# Altium PCB PCB1.PcbDoc
Units mil, origin at the board's own origin, x right, y up, seen from the top; angles counter-clockwise.
Board outline 2760 x 1875 mil, 2 copper layers (Top Layer, Bottom Layer); 86 components, 51 nets, 238 pads, 86 vias.
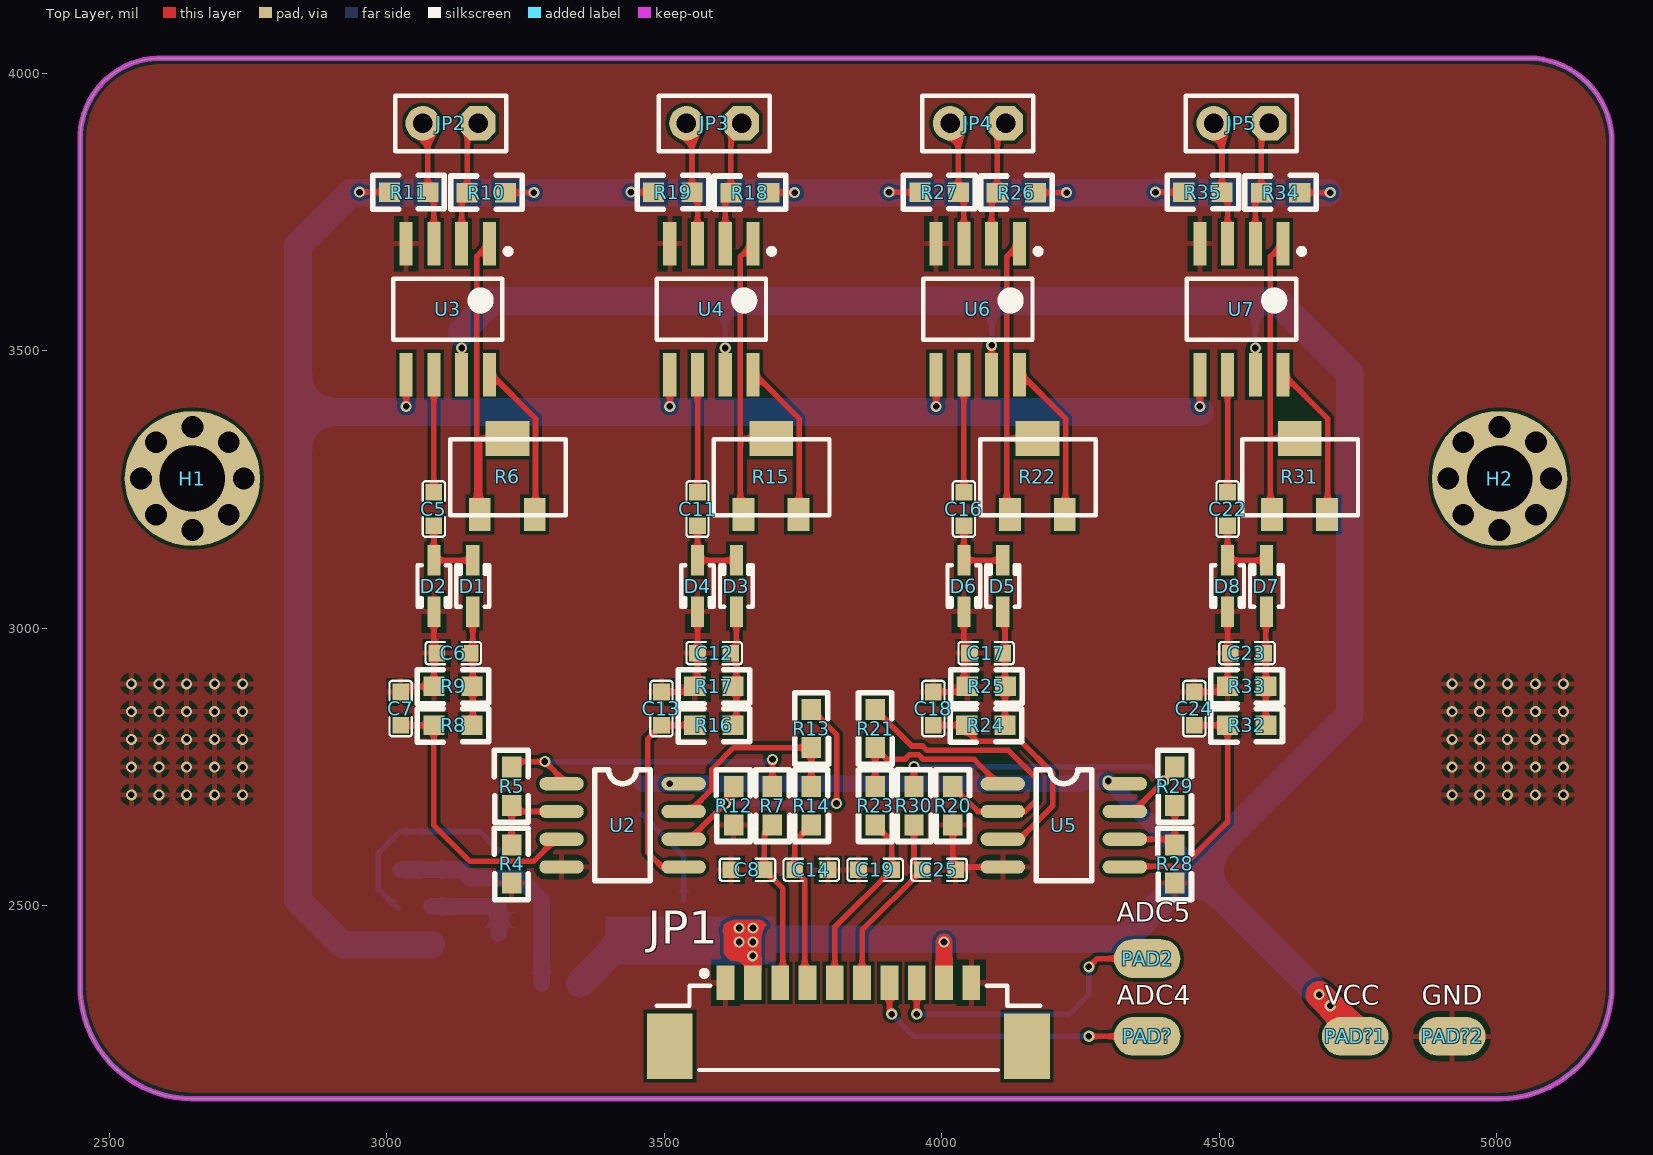
[diagram p0: Top Layer view]
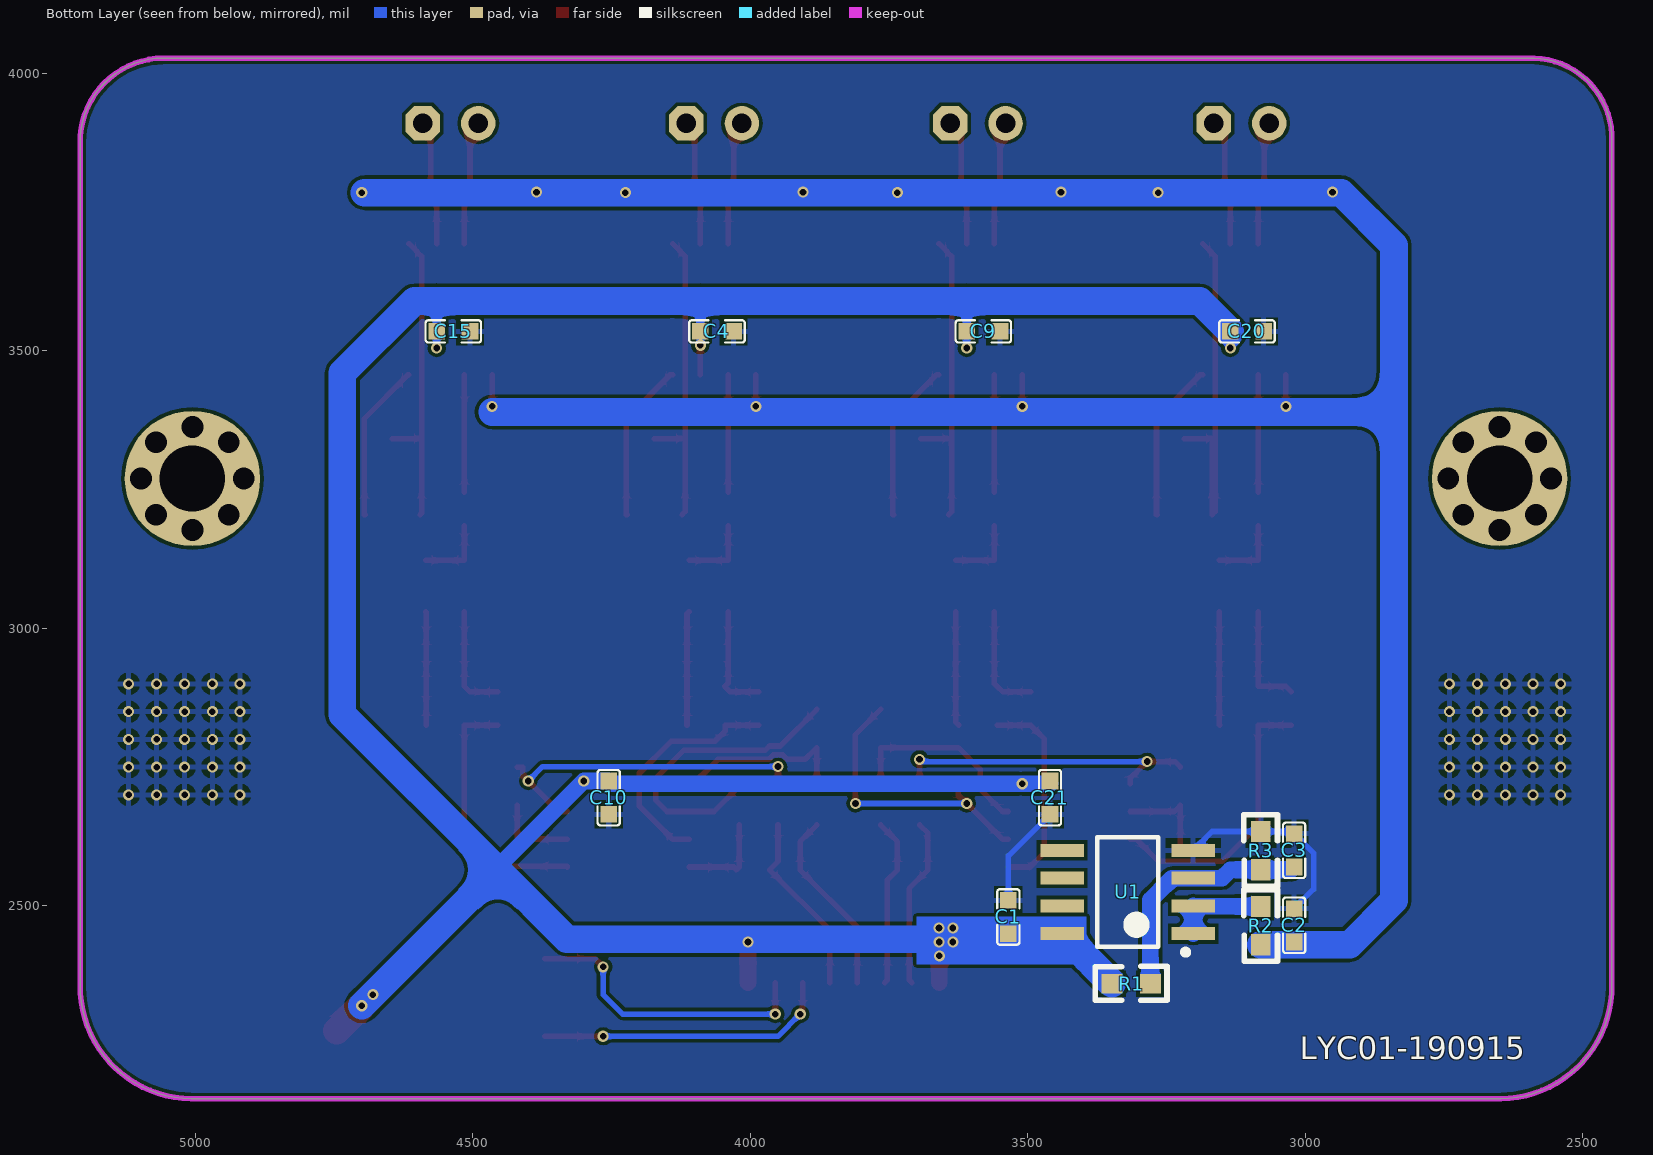
[diagram p1: Bottom Layer view, seen from below]
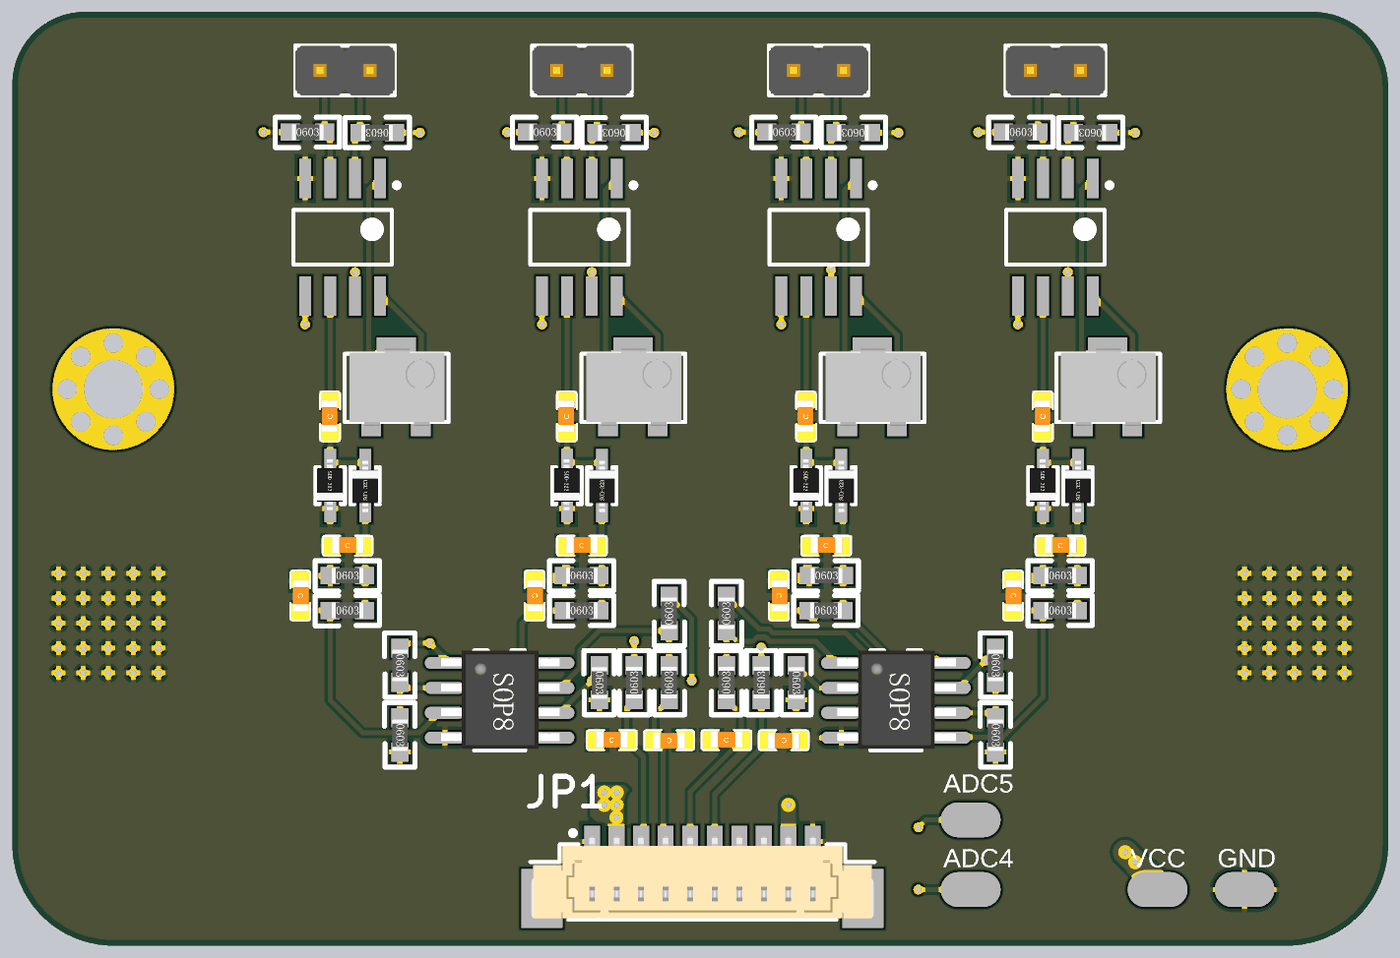
[diagram p2: 3D render of the assembled board from above, using the file's embedded part models]
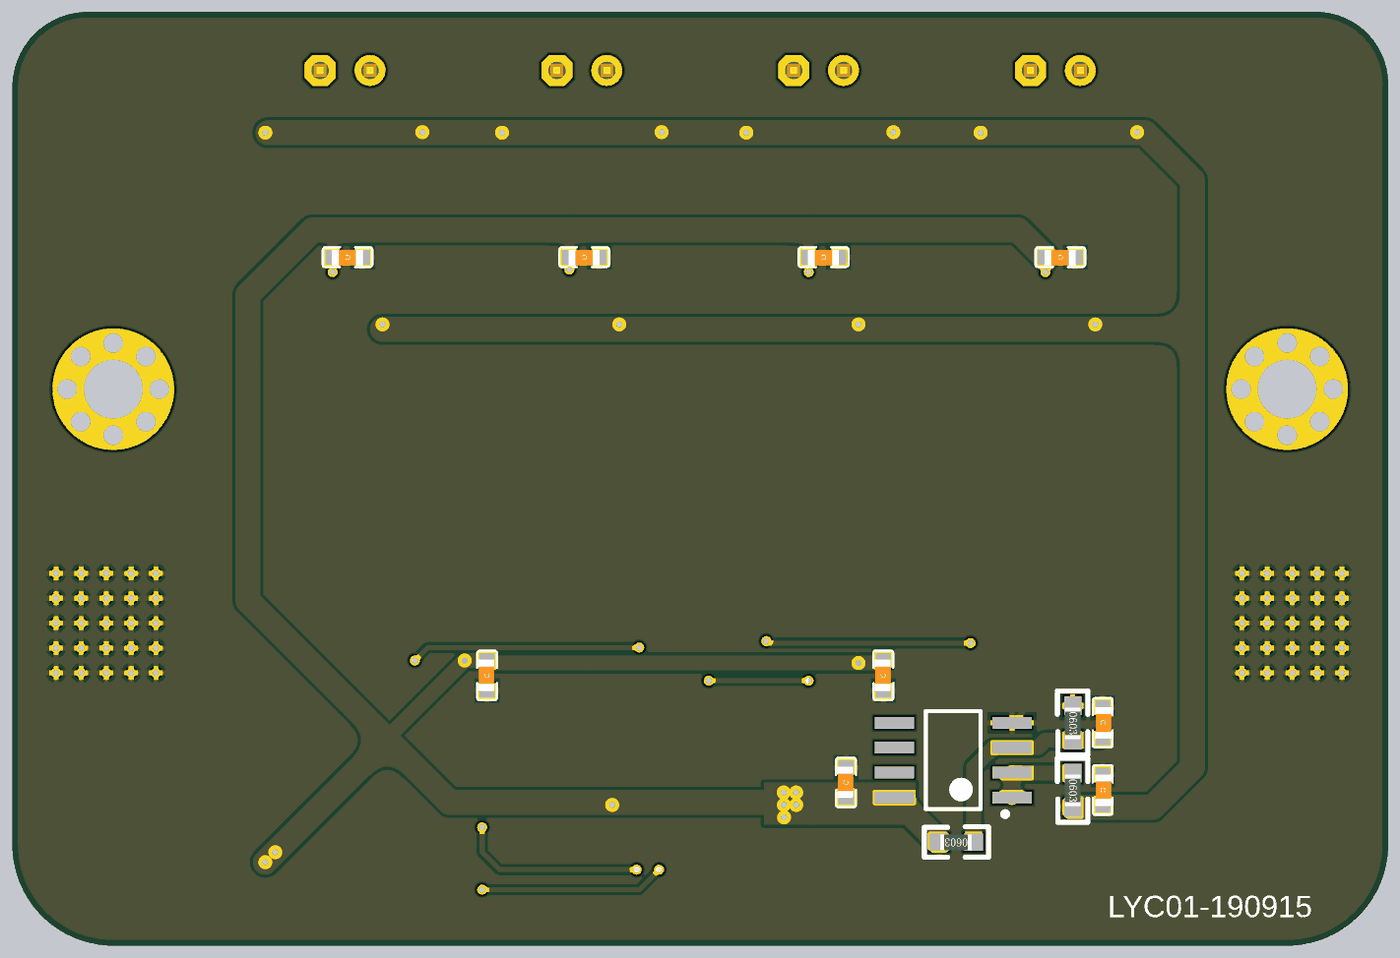
[diagram p3: 3D render of the assembled board from below, using the file's embedded part models]

## Layer stack, top to bottom
Top Solder: solder mask 0.4, Solder Resist, Dk 3.5
Top Layer: signal copper 1.4
Dielectric 1: dielectric 12.6, FR-4, Dk 4.8
Bottom Layer: signal copper 1.4
Bottom Solder: solder mask 0.4, Solder Resist, Dk 3.5

## Board outline
2447.5,2357.5 2447.5,3877.5 cw(c2592.5,3882.5) 2587.5,4027.5 5057.5,4027.5 cw(c5056.22,3876.22) 5207.5,3874.93 5207.5,2357.5 cw(c5005,2355) 5007.5,2152.5 2647.5,2152.5 cw(c2650,2355)

## Design rules (kind name [scope] priority, off if disabled: settings)
Clearance [All] p1: gap=6 ignorepadtopadclearanceinfootprint=TRUE
PolygonConnect [All] p1: connectstyle=Relief reliefconductorwidth=10 reliefentries=4 polygonreliefangle="90 Angle" airgapwidth=10
RoutingVias [All] p1: holewidth=12 width=20 viastyle="Through Hole" minholewidth=12 minwidth=20 maxholewidth=12 maxwidth=20
SolderMaskExpansion [All] p1: expansion=4
Width [All] p1: maxlimit=50 minlimit=10 preferedwidth=10 minimp=50.000000 maximp=50.000000 favimp=50.000000
30 further rules are at their usual default settings.

## Classes and differential pairs
component class Sheet2: C15 C16 C17 C18 C19 C20 C21 C22 C23 C24 C25 D5 D6 D7 D8 JP4 JP5 R20 R21 R22 R23 R24 R25 R26 R27 R28 R29 R30 R31 R32 R33 R34 R35 U5 U6 U7
component class Sheet1: C1 C2 C3 C4 C5 C6 C7 C8 C9 C10 C11 C12 C13 C14 D1 D2 D3 D4 H1 H2 JP1 JP2 JP3 PAD2 PAD? R1 R2 R3 R4 R5 R6 R7 R8 R9 R10 R11 R12 R13 R14 R15 R16 R17 R18 R19 U1 U2 U3 U4

## Components (designator, comment, footprint, x,y, rotation, side; value= is the part's Value field where it differs from the comment)
C1 "1uF" 0603_C 3535,2480 r90 bottom value=104
C2 "1uF" 0603_C 3020,2465 r270 bottom value=104
C3 "1uF" 0603_C 3020,2600 r270 bottom value=104
C4 "1uF" 0603_C 4060,3535 r0 bottom value=104
C5 "1uF" 0603_C 3085,3215 r90 top value=104
C6 "1uF" 0603_C 3120,2955.42 r0 top value=104
C7 "10nF" 0603_C 3025,2855.42 r270 top value=104
C8 "1uF" 0603_C 3650,2565 r0 top value=104
C9 "1uF" 0603_C 3580,3535 r0 bottom value=104
C10 "1uF" 0603_C 4255,2695 r90 bottom value=104
C11 "1uF" 0603_C 3560,3215 r90 top value=104
C12 "1uF" 0603_C 3590,2955.42 r0 top value=104
C13 "10nF" 0603_C 3495,2855.42 r270 top value=104
C14 "1uF" 0603_C 3765,2565 r180 top value=104
C15 "1uF" 0603_C 4535,3535 r0 bottom value=104
C16 "1uF" 0603_C 4040,3215 r90 top value=104
C17 "1uF" 0603_C 4080,2955.42 r0 top value=104
C18 "10nF" 0603_C 3985,2855.42 r270 top value=104
C19 "1uF" 0603_C 3880,2565 r0 top value=104
C20 "1uF" 0603_C 3105,3535 r0 bottom value=104
C21 "1uF" 0603_C 3460,2695 r90 bottom value=104
C22 "1uF" 0603_C 4515,3215 r90 top value=104
C23 "1uF" 0603_C 4550,2955.42 r0 top value=104
C24 "10nF" 0603_C 4455,2855.42 r270 top value=104
C25 "1uF" 0603_C 3995,2565 r180 top value=104
D1 "Diode, Schottky" SOD323 3155,3030 r90 top value=40V
D2 "Diode, Schottky" SOD323 3085,3122.52 r270 top value=40V
D3 "Diode, Schottky" SOD323 3630,3030 r90 top value=40V
D4 "Diode, Schottky" SOD323 3560,3122.52 r270 top value=40V
D5 "Diode, Schottky" SOD323 4110,3030 r90 top value=40V
D6 "Diode, Schottky" SOD323 4040,3122.52 r270 top value=40V
D7 "Diode, Schottky" SOD323 4585,3030 r90 top value=40V
D8 "Diode, Schottky" SOD323 4515,3122.52 r270 top value=40V
H1 "HOLE" "定位孔 Φ3 1" 2650,3270 r0 top
H2 "HOLE" "定位孔 Φ3 1" 5005,3270 r0 top
JP1 "HEADER 10" HEADER_10P_1.25_UP 3831.89,2280 r0 top
JP2 "header" header2 3165,3910 r180 top
JP3 "header" header2 3640,3910 r180 top
JP4 "header" header2 4115,3910 r180 top
JP5 "header" header2 4590,3910 r180 top
PAD2 "PAD" "SMALL PAD" 4370,2405 r90 top
PAD? "PAD" "SMALL PAD" 4370,2265 r90 top
PAD?1 "PAD" "SMALL PAD" 4745,2265 r90 top (schematic designator PAD?)
PAD?2 "PAD" "SMALL PAD" 4919.58,2265 r90 top (schematic designator PAD?)
R1 "1K" R0603 3279.11,2360 r0 bottom
R2 "1K" R0603 3080,2499 r270 bottom
R3 "1K" R0603 3080,2634 r270 bottom
R4 "1K" R0603 3225,2610 r270 top
R5 "1K" R0603 3225,2750 r270 top
R6 "10K" 3224W 3230,3260 r90 top
R7 "1K" R0603 3695,2646 r90 top
R8 "1K" R0603 3085,2825.42 r0 top
R9 "1K" R0603 3085,2895.42 r0 top
R10 "1K" R0603 3214,3785 r180 top
R11 "1K" R0603 3005,3786 r0 top
R12 "1K" R0603 3625,2715 r270 top
R13 "1K" R0603 3765,2785 r90 top
R14 "1K" R0603 3765,2646 r90 top
R15 "10K" 3224W 3705,3260 r90 top
R16 "1K" R0603 3555,2825.42 r0 top
R17 "1K" R0603 3555,2895.42 r0 top
R18 "1K" R0603 3689,3785 r180 top
R19 "1K" R0603 3481,3786 r0 top
R20 "1K" R0603 4020,2715 r270 top
R21 "1K" R0603 3880,2785 r90 top
R22 "10K" 3224W 4185,3260 r90 top
R23 "1K" R0603 3880,2646 r90 top
R24 "1K" R0603 4045,2825.42 r0 top
R25 "1K" R0603 4046,2895.42 r0 top
R26 "1K" R0603 4169,3785 r180 top
R27 "1K" R0603 3961,3786 r0 top
R28 "1K" R0603 4420,2610 r270 top
R29 "1K" R0603 4420,2750 r270 top
R30 "1K" R0603 3950,2646 r90 top
R31 "10K" 3224W 4657.31,3260 r90 top
R32 "1K" R0603 4515,2825.42 r0 top
R33 "1K" R0603 4515,2895.42 r0 top
R34 "1K" R0603 4645,3785 r180 top
R35 "1K" R0603 4436,3786 r0 top
U1 "OPA2365" SOIC-8 3320,2525 r0 bottom value=Value
U2 "OPA2365" SOP8 3316,2721 r0 top value=Value
U3 "INA128" SOIC-8 3110,3575 r270 top
U4 "INA128" SOIC-8 3585,3575 r270 top
U5 "OPA2365" SOP8 4111,2721 r0 top value=Value
U6 "INA128" SOIC-8 4065,3575 r270 top
U7 "INA128" SOIC-8 4540,3575 r270 top

## Footprints (in the part's own frame and the unit in brackets; to place one, negate y for a bottom-side part, rotate by r counter-clockwise, add the part's x,y. Pads: shape width x height; smd on the part's side, far side on the other; paste and mask are expansions set on the pad)
0603_C [mil] "Capacitor"
  rect 30x30 smd: 1(-30,0) 2(30,0)
  silkscreen extent -50,-20 50,20, body extent -51,-18 52,21, height 35
3224W [mm]
  rect 1.5x1 smd: 1(-1.397,1.583) 3(-1.397,-0.932)
  rect 1.6x2 smd: 2(2.083,0.313)
  silkscreen extent -1.42,-2.35 2.06,2.94, body extent -1.63,-2.13 2.31,2.69, height 5.29
header2 [mil]
  oct 62x62 hole 35: 1(0,0)
  round 62 hole 35: 2(100,0)
  silkscreen extent -50,-50 150,50, body extent -50,-50 150,50, height 398
HEADER_10P_1.25_UP [mm]
  rect 0.81x1.6 smd: 1(-5.625,2.07) 2(-4.375,2.07) 3(-3.125,2.07) 4(-1.875,2.07) 5(-0.625,2.07) 6(0.625,2.07) 7(1.875,2.07) 8(3.125,2.07) 9(4.375,2.07) 10(5.625,2.07)
  rect 2.1x3 smd: MP1(-8.175,-0.83) MP2(8.175,-0.83)
  silkscreen extent -8.77,-1.92 8.77,2.62, body extent -8.73,-1.85 8.73,2.35, height 4.74
R0603 [mil] "1/10W"
  rect 38x35 smd: 1(0,0) 2(69,0)
  silkscreen extent -30,-31 99,30, body extent 4,-16 66,16, height 18
"SMALL PAD" [mil]
  oval 70x120 smd: 1(0,0)
SOD323 [mm] "0805"
  rect 1.4x0.6 smd: 1(0,0) 2(2.35,0)
  silkscreen extent 0.22,-0.75 2.12,0.75, body extent -0.17,-0.67 2.43,0.63, height 1
SOIC-8 [mm]
  rect 2x0.6 smd: 1(-3,1.905) 2(-3,0.635) 3(-3,-0.635) 4(-3,-1.905) 5(3,-1.905) 6(3,-0.635) 7(3,0.635) 8(3,1.905)
  silkscreen extent -2.77,-2.5 1.4,2.88, body extent -3.05,-2.44 3.05,2.46, height 1.51
SOP8 [mil]
  oval 80x24 smd: 1(-1,-1) 2(-1,-51) 3(-1,-101) 4(-1,-151) 5(219,-151) 6(219,-101) 7(219,-51) 8(219,-1)
  silkscreen extent 59,-176 159,24, body extent -9,-174 229,24, height 63
"定位孔 Φ3 1" [mm]
  round 1 hole 1: 1(-2.35,0) 1(-1.662,-1.662) 1(-1.662,1.662) 1(0,-2.35) 1(0,2.35) 1(1.662,-1.662) 1(1.662,1.662) 1(2.35,0)
  round 6.2 hole 3: 1(0,0)

## Part data
C1 C2 C3 C4 C5 C6 C7 C8 C9 C10 C11 C12 C13 C14 C15 C16 C17 C18 C19 C20 C21 C22 C23 C24 C25: library part CAP, "Capacitor", LatestRevisionDate=17-Jul-2002, LatestRevisionNote="Re-released for DXP Platform.", PackageReference=RAD-0.3, Published=8-Jun-2000, Publisher="Altium Limited"
D1 D2 D3 D4 D5 D6 D7 D8: library part D_Schottky, "Diode, Schottky, 40 V, 0.2 A, DO-213AC", Manufacturer=Vishay-Semiconductor, PartNumber=LL103A-GS08, Supplier Part Number 1=LL103A-GS08CT-ND, Value1=0.2A, Value2=0.6V, AEC Category=Q101, AEC Qualified=?, ComponentLink1Description="Datasheet link", ComponentLink1URL=http://www.diodes.com/datasheets/ds30258.pdf, CompType=Diode, Io_A=0.2, LatestRevisionDate=2016-03-10, MountType=SMT, PackageReference=DO-213AC, Published=2008-06-26, Publisher="Texas Instruments", RoHS=Y, Supplier 1=Digi-Key, Supplier 2=Mouser, Supplier 3=Farnell, Supplier Part Number 2=625-LL103A, Supplier Part Number 3=1469389, SymbolVersion=2008-12-08, TJmax_C=125, Type=Schottky, U/M=EA, Vf_V=0.6, Vr_V=40
JP2 JP3 JP4 JP5: library part "HEADER 2"
R1 R2 R3 R4 R5 R7 R8 R9 R10 R11 R12 R13 R14 R16 R17 R18 R19 R20 R21 R23 R24 R25 R26 R27 R28 R29 R30 R32 R33 R34 R35: library part RES, "Resistor", Published=8-Jun-2000, Publisher="Altium Limited", Revision="July-2002: Re-released for DXP Platform."
R6 R15 R22 R31: library part 单联电位器
U1 U2 U5: "Imported", Manufacturer="Texas Instruments", Manufacturer_Part_Number=opa2365_d_8, PACKAGE_DESIGNATOR=D, Datasheet URL=http://www.ti.com/lit/gpn/OPA2365, FAMILY_NAME="LOW OFFSET VOLTAGE", GENERIC_PART_NUMBER=OPA2365, INDUSTRY_STD_PKG_TYPE=SOIC, PIN_COUNT=8, RefDes=RefDes, Type=DEV, Vendor="Texas Instruments"
U3 U4 U6 U7: library part INA118

## Via types
v1: diameter 20, hole 12, Top Layer to Bottom Layer, 86 vias

## Nets (pads, with @x,y where several pads share a name; then routed paths per layer and width w, separated by ;. In a path a pad name is that pad's centre, name@x,y a point inside that pad or via, vN(x,y) a via of type N, cw(c..) or ccw(c..) an arc to the next point about the centre after c; other vN are vias at no path point)
ADC0: C8.2 JP1.3 R7.1 | length 306.7
  Top Layer w10: R7.1 3680,2631 C8.2 3713.78,2531.22 3713.78,2366.42 JP1.3
ADC1: C14.2 JP1.4 R14.1 | length 306.5
  Top Layer w10: JP1.4 3753.15,2366.42 3753.15,2546.85 C14.2 3735,2616 R14.1
ADC2: C19.2 JP1.5 R23.1 | length 339.5
  Top Layer w10: JP1.5 3807.28,2462.28 C19.2 3910,2616 R23.1
ADC3: C25.2 JP1.6 R30.1 | length 335.7
  Top Layer w10: JP1.6 3856.5,2456.5 C25.2 3950,2580 R30.1
ADC4: JP1.7 PAD?.1 | length 534.8
  Top Layer w10: JP1.7 3905.71,2309.29 v1(3910,2305) ; v1(4265,2265) PAD?.1
  Bottom Layer w10: v1(3910,2305) 3950,2265 v1(4265,2265)
ADC5: JP1.8 PAD2.1 | length 542.2
  Top Layer w10: JP1.8 3954.92,2305.08 v1(3955,2305) ; v1(4265,2390) 4280,2405 PAD2.1
  Bottom Layer w10: v1(3955,2305) 4230,2305 4265,2340 v1(4265,2390)
GND: C1.2 C2.1 C3.1 C4.1 C6.1 C7.1 C8.1 C9.1 C10.1 C12.1 C13.1 C14.1 C15.1 C17.1 C18.1 C19.1 C20.1 C21.1 C23.1 C24.1 C25.1 D2.2 D4.2 D6.2 D8.2 JP1.1 JP1.10 PAD?2.1 R3.1 R4.2 R9.1 R12.2 R17.1 R20.2 R25.1 R28.2 R33.1 U1.4 U2.4 U3.4 U4.4 U5.4 U6.4 U7.4 | length 1518.3
  Top Layer w10: C7.1 3035,2895.42 R9.1 D2.2 ; C13.1 3545,2885.42 R17.1 3560,2900.42 C12.1 D4.2 ; C18.1 4036,2885.42 R25.1 4040,2901.42 D6.2 ; R20.2 4020,2570 C25.1 4030,2570 U5.4 ; C24.1 4505,2885.42 R33.1 D8.2
  Bottom Layer w10: C2.1 2985,2530 2985,2595 C3.1 3024,2634 R3.1 3167.89,2634 U1.4 ; C21.1 3535,2590 C1.2
  other v1: 2540,2700 2589.58,2700 2639.58,2700 2690,2700 2740.42,2700 4919.58,2700 4969.16,2700 5019.16,2700 5069.58,2700 5120,2700 2540,2750 2589.58,2750 2639.58,2750 2690,2750 2740.42,2750 4919.58,2750 4969.16,2750 5019.16,2750 5069.58,2750 5120,2750 2540,2800 2589.58,2800 2639.58,2800 2690,2800 2740.42,2800 4919.58,2800 4969.16,2800 5019.16,2800 5069.58,2800 5120,2800 2540,2850 2589.58,2850 2639.58,2850 2690,2850 2740.42,2850 4919.58,2850 4969.16,2850 5019.16,2850 5069.58,2850 5120,2850 2540,2900 2589.58,2900 2639.58,2900 2690,2900 2740.42,2900 4919.58,2900 4969.16,2900 5019.16,2900 5069.58,2900 5120,2900
NetC3_2: C3.2 R1.1 R3.2 U1.3 | length 434.5
  Bottom Layer w10: C3.2 C3.2@3025,2565
  Bottom Layer w30: C3.2@3025,2565 R3.2 3135,2565 3150,2550 U1.3 3240,2550 3279.11,2510.89 R1.1
NetC5_1: C5.1 D1.2 D2.1 | length 132.5
  Top Layer w10: C5.1 D2.1 D1.2
NetC5_2: C5.2 U3.6 | length 211.9
  Top Layer w10: C5.2 U3.6
NetC6_2: C6.2 D1.1 R8.2 R9.2 | length 205
  Top Layer w10: R8.2 3155,2826.42 D1.1
NetC7_2: C7.2 R8.1 U2.3 | length 513.9
  Top Layer w10: C7.2 R8.1 3085,2645 3150,2580 3264.47,2580 3304.47,2620 U2.3
NetC11_1: C11.1 D3.2 D4.1 | length 132.5
  Top Layer w10: C11.1 D4.1 D3.2
NetC11_2: C11.2 U4.6 | length 211.9
  Top Layer w10: C11.2 U4.6
NetC12_2: C12.2 D3.1 R16.2 R17.2 | length 207.1
  Top Layer w10: R16.2 3630,2831.42 D3.1
NetC13_2: C13.2 R16.1 U2.5 | length 375.5
  Top Layer w10: U2.5 3496,2570 3470,2596 3470,2800.42 C13.2 R16.1
NetC16_1: C16.1 D5.2 D6.1 | length 132.5
  Top Layer w10: C16.1 D6.1 D5.2
NetC16_2: C16.2 U6.6 | length 211.9
  Top Layer w10: C16.2 U6.6
NetC17_2: C17.2 D5.1 R24.2 R25.2 | length 206.2
  Top Layer w10: D5.1 4114,3026 R24.2
NetC18_2: C18.2 R24.1 U5.3 | length 430.8
  Top Layer w10: C18.2 R24.1 4045,2815 4063.08,2796.92 4142.08,2796.92 4200,2739 4200,2680 4140,2620 U5.3
NetC22_1: C22.1 D7.2 D8.1 | length 132.5
  Top Layer w10: C22.1 D8.1 D7.2
NetC22_2: C22.2 U7.6 | length 211.9
  Top Layer w10: C22.2 U7.6
NetC23_2: C23.2 D7.1 R32.2 R33.2 | length 205
  Top Layer w10: R32.2 R33.2 4584,3029 D7.1
NetC24_2: C24.2 R32.1 U5.5 | length 453.6
  Top Layer w10: U5.5 4330,2571 4435,2571 4515,2651 R32.1 C24.2
NetJP2_1: JP2.1 R10.2 U3.2 | length 229.3
  Top Layer w10: U3.2 3135,3775 R10.2 3145,3890 JP2.1
NetJP2_2: JP2.2 R11.2 U3.3 | length 225.2
  Top Layer w10: JP2.2 3074,3901 R11.2 3085,3775 U3.3
NetJP3_1: JP3.1 R18.2 U4.2 | length 229.3
  Top Layer w10: U4.2 3610,3775 R18.2 3620,3890 JP3.1
NetJP3_2: JP3.2 R19.2 U4.3 | length 225.2
  Top Layer w10: JP3.2 3550,3900 R19.2 3560,3776 U4.3
NetJP4_1: JP4.1 R26.2 U6.2 | length 227.2
  Top Layer w10: U6.2 4090,3775 R26.2 4100,3895 JP4.1
NetJP4_2: JP4.2 R27.2 U6.3 | length 227.2
  Top Layer w10: JP4.2 4030,3895 R27.2 4040,3776 U6.3
NetJP5_1: JP5.1 R34.2 U7.2 | length 227.2
  Top Layer w10: U7.2 4565,3774 R34.2 4576,3896 JP5.1
NetJP5_2: JP5.2 R35.2 U7.3 | length 227.2
  Top Layer w10: JP5.2 4505,3895 R35.2 4515,3776 U7.3
NetR2_1: R2.1 U1.1 U1.2 | length 172.3
  Bottom Layer w10: U1.2@3200.89,2499 U1.2
  Bottom Layer w30: R2.1 U1.2@3200.89,2499 ; U1.1 U1.2
NetR4_1: R4.1 R5.2 U2.2 | length 165.6
  Top Layer w10: R4.1 R5.2 3236,2670 U2.2
NetR5_1: R5.1 R7.2 U2.1 | length 577.2
  Top Layer w10: R5.1 3235,2760 v1(3285,2760) 3315,2730 U2.1 ; R7.2 v1(3695,2764)
  Bottom Layer w10: v1(3285,2760) 3691,2760 v1(3695,2764)
NetR6_1: R6.1 R6.2 U3.1 | length 686.8
  Top Layer w10: U3.1 3162.19,3670.3 3162.19,3210.5 R6.1 3167.69,3342 R6.2
NetR6_3: R6.3 U3.8 | length 290.1
  Top Layer w10: U3.8 3189.22,3456.89 3268.06,3378.05 3268.06,3205 R6.3
NetR12_1: R12.1 R13.2 U2.6 | length 527.4
  Top Layer w10: U2.6 3545.53,2620 v1(3610,2684.47) 3625,2699.47 R12.1 ; R13.2 3810.53,2808.47 v1(3810.53,2684.47)
  Bottom Layer w10: v1(3610,2684.47) v1(3810.53,2684.47)
NetR13_1: R13.1 R14.2 U2.7 | length 368.4
  Top Layer w10: U2.7 3545.53,2670 3586,2710.47 3586,2746 3625,2785 R13.1 R14.2
NetR15_1: R15.1 R15.2 U4.1 | length 556.2
  Top Layer w10: R15.1 3637.19,3210.5 3637.19,3340 ; U4.1 3637.19,3670.3 3637.19,3340 ; R15.2 3639.19,3342 3637.19,3340
NetR15_3: R15.3 U4.8 | length 290.1
  Top Layer w10: U4.8 3664.22,3456.89 3743.06,3378.05 3743.06,3205 R15.3
NetR20_1: R20.1 R21.2 U5.2 | length 558.3
  Top Layer w10: R21.2 3946,2788 3965.33,2788 3973.33,2780 4120,2780 4170,2730 4170,2690 4150,2670 U5.2 4065,2670 R20.1
NetR21_1: R21.1 R23.2 U5.1 | length 333.6
  Top Layer w10: R23.2 R21.1 3901,2764 3933.3,2764 3941.3,2772 3958.7,2772 3966.7,2764 4058.37,2764 4102.37,2720 U5.1
NetR22_1: R22.1 R22.2 U6.1 | length 556.2
  Top Layer w10: R22.1 4117.19,3210.5 4117.19,3340 ; U6.1 4117.19,3670.3 4117.19,3340 ; R22.2 4119.19,3342 4117.19,3340
NetR22_3: R22.3 U6.8 | length 290.1
  Top Layer w10: U6.8 4144.22,3456.89 4223.06,3378.05 4223.06,3205 R22.3
NetR28_1: R28.1 R29.2 U5.6 | length 165.1
  Top Layer w10: U5.6 4410,2620 R28.1 R29.2
NetR29_1: R29.1 R30.2 U5.7 | length 631.7
  Top Layer w10: R30.2 v1(3950,2751) v1@3950,2748 ; U5.7 4345,2670 v1(4400,2725) 4410,2735 4410,2750 R29.1
  Bottom Layer w10: v1(3950,2751) 4374,2751 v1(4400,2725)
NetR31_1: R31.1 R31.2 U7.1 | length 552.4
  Top Layer w10: R31.1 4592.19,3207.81 4592.19,3340 ; U7.1 4592.19,3670.3 4592.19,3340 ; R31.2 4594.19,3342 4592.19,3340
NetR31_3: R31.3 U7.8 | length 287.4
  Top Layer w10: U7.8 4616.53,3456.89 4695.37,3378.05 4695.37,3205 R31.3
VCC: C1.1 C4.2 C9.2 C10.2 C15.2 C20.2 C21.2 JP1.2 JP1.9 PAD?1.1 R1.2 U1.8 U2.8 U3.7 U4.7 U5.8 U6.7 U7.7 | length 5802.8
  Top Layer w10: U6.7 v1(4090,3510) ; PAD?1.1 PAD?1.1@4745,2275
  Top Layer w30: 3620,2455 cw(c3620,2407.57) 3653.54,2441.11 v1(3659.65,2435) JP1.2 ; JP1.9 v1(4004.13,2435)
  Top Layer w50: v1(4680,2340) v1(4700,2320) PAD?1.1@4745,2275
  Bottom Layer w10: v1(3135,3505) C20.2 ; U1.8 C1.1 ; v1(3510,2720) v1@3513,2722 ; v1(3610,3505) C9.2 3610,3590 ; v1(4090,3510) C4.2 4090,3590 ; C10.2@4252,2722 C10.2 ; 4455,2565 4455,2570 ; v1(4565,3505) C15.2 4565,3590
  Bottom Layer w30: C21.2@3460,2720 v1(3510,2720) ; v1@3515,2720 4250,2720 C10.2@4252,2722 ; C10.2 v1(4300,2725) 4455,2570
  Bottom Layer w50: C20.2 3190,3590 3610,3590 4090,3590 4565,3590 4605,3590 4735,3460 4735,2845 4455,2565 ; R1.2 U1.8 ; v1@3655,2440 4330,2440 4455,2565 ; v1(4700,2320) v1(4680,2340) 4455,2565
  other v1: 3659.29,2410 3635,2435 3635,2460 3660,2460
VREF: C2.2 R2.2 R10.1 R11.1 R18.1 R19.1 R26.1 R27.1 R34.1 R35.1 U3.5 U4.5 U6.5 U7.5 | length 5610
  Top Layer w10: v1(2951,3786) R11.1 ; v1(3035,3400) U3.5 ; R10.1 v1(3265,3785) ; v1(3440,3786) R19.1 ; v1(3510,3400) U4.5 ; R18.1 v1(3735,3785) ; v1(3905,3786) R27.1 ; v1(3990,3400) U6.5 ; R26.1 v1(4225,3785) ; v1(4385,3786) R35.1 ; v1(4465,3400) U7.5 ; R34.1 v1(4700,3785)
  Bottom Layer w50: R2.2 2920,2430 2840,2510 2840,3390 ; 4465,3390 3990,3390 2840,3390 ; v1@4695,3785 v1(4225,3785) v1(3735,3785) v1(3265,3785) 2935,3785 2840,3690 2840,3390
pads on no net: H1.1 H2.1 JP1.MP1 JP1.MP2 U1.5 U1.6 U1.7

## Polygon pours and split planes (outlines as drawn)
GND on Top Layer "Top Layer-GND" (solid, remove dead copper, pour order 0): 1940,4525 2080,4385 2080,1595 5660,1595 5945,1880 5945,4220
GND on Bottom Layer "Bottom Layer-GND" (solid, remove dead copper, pour order 2): 1910,4525 1910,1815 2185,1540 6375,1540 6375,4035 6155,4255

## Keep-outs
Keep-Out Layer:
  the board outline again, w10

## Other copper
Top Layer:
  region net VCC: 3675,2380 ccw(c3662.93,2367.93) 3662.93,2385 3645,2385 ccw(c3631.12,2385) 3640.93,2394.82 3640.75,2395 ccw(c3626.59,2380.84) 3626.59,2400.87 3625,2400.87 cw(c3625,2414.28) 3615.52,2404.79 3607,2413.31 3607,2465.94 cw(c3628.86,2444.08) 3628.86,2475 3670,2475 cw(c3670,2460.65) 3680.15,2470.8 3685,2465.94 ccw(c3709.14,2441.8) 3675,2441.8
  region net VCC: 3645,2385
  region: 3675,2400.87
  region: 3700,2430
Bottom Layer:
  region net VCC: 3700,2395 3395,2395 3395,2480 3700,2480

## Silkscreen, mask and mechanical layers (free items; w line width, h text height)
Top Overlay:
  text "ADC5" at 4315,2460 h60
  text "ADC4" at 4315,2310 h60
  text "VCC" at 4690,2310 h60
  text "GND" at 4865,2310 h60
Bottom Overlay:
  text "LYC01-190915" at 3010,2210 h70

## Text inside footprints (layer, text, board x,y; h text height)
R6: Mechanical 2 "+" at 3205.19,3252 h30
R15: Mechanical 2 "+" at 3680.19,3252 h30
R22: Mechanical 2 "+" at 4160.19,3252 h30
R31: Mechanical 2 "+" at 4632.5,3252 h30